# KiCad board 8851_HW-U1-VCU118_REV2-0_071417.kicad_pcb (continued)
## Routing (per net, layer and track width the routed paths; a pad name or vN(x,y) marks a point on that pad's centre or on a via; arc(x,y) is an arc through that point) (continued)
  03_SIG1 w0.107: v2(104.56,83.51) 104.56,83.7 arc(104.61,83.81) 104.72,83.86 104.74,83.86 arc(104.88,83.88) 105,83.97 105.03,84 arc(105.12,84.13) 105.16,84.29 105.16,87.74 arc(105.73,87.63) 105.24,87.95
  03_SIG1 w0.15: v3(61.5,157) 61.22,156.72 arc(61.1,156.55) 61.06,156.34 61.06,152.93 arc(61.08,152.85) 61.12,152.78 arc(61.28,152.55) 61.34,152.26 61.34,151.57 arc(61.43,151.13) 61.68,150.76 61.88,150.56 arc(62.01,150.47) 62.17,150.44 62.44,150.44 arc(62.75,150.38) 63.01,150.21 65.81,147.4 arc(66.45,146.45) 66.67,145.33 66.67,142.08 arc(70.37,142.81) 67.24,140.71 69.71,138.24 arc(70.2,137.91) 70.77,137.8 73.5,137.8 arc(73.87,137.65) 74.03,137.28 74.03,136.85 arc(73.86,136.44) 73.45,136.28 72.95,136.28 arc(72.81,136.22) 72.75,136.08 72.75,135.53 arc(73.73,135.93) 73.33,134.95 75.7,134.95 arc(76.17,134.75) 76.37,134.27 76.37,132 arc(76.67,132.3) 76.97,132 76.97,134.27 arc(77.65,134.95) 78.32,134.27 arc(78.62,134.57) 78.92,134.27 arc(79.17,134.86) 79.75,135.11 80.6,135.11 arc(81.13,134.89) 81.35,134.36 81.35,134.14 arc(81.72,134.29) 81.56,133.93 81.72,133.93 arc(81.99,134.03) 82.1,134.3 82.1,135.25 arc(82.85,136) 83.6,135.25 83.6,134.14 arc(83.97,134.29) 83.81,133.93 83.97,133.93 arc(84.24,134.03) 84.35,134.3 84.35,134.36 arc(84.57,134.89) 85.1,135.11 85.98,135.11 arc(86.74,134.95) 87.38,134.53 89.5,132.4 arc(89.93,132.12) 90.44,132.02 91.34,132.02 arc(91.68,131.87) 91.82,131.53 91.82,131.35 arc(92.12,131.65) 92.42,131.35 arc(92.61,131.82) 93.08,132.02 93.29,132.02 arc(93.63,131.87) 93.77,131.53 93.77,131.35 arc(94.07,131.65) 94.37,131.35 arc(94.56,131.82) 95.03,132.02 95.24,132.02 arc(95.58,131.87) 95.72,131.53 95.72,131.35 arc(96.02,131.65) 96.32,131.35 arc(96.51,131.82) 96.98,132.02 98.04,132.02 arc(98.43,131.94) 98.76,131.72 99.39,131.08 arc(99.43,131.07) 99.48,131.08 99.58,131.18 arc(100.53,131.18) 100.53,130.23 arc(100.81,130.11) 100.53,129.99 102.06,128.47 arc(102.22,128.4) 102.39,128.47 arc(103.39,128.47) 103.39,127.46 103.26,127.33 arc(103.4,127.27) 103.26,127.22 103.46,127.01 arc(103.63,126.95) 103.79,127.01 arc(104.75,127.01) 104.75,126.06 104.64,125.95 arc(104.77,125.89) 104.64,125.84 106.35,124.12 arc(106.69,123.61) 106.81,123.01 106.81,111.07 arc(106.76,110.82) 106.63,110.62 106.52,110.51 arc(107.16,110.08) 106.4,110.23 106.4,109.81 arc(106.36,109.59) 106.23,109.4 arc(106.15,109.27) 106.12,109.12 106.12,103.52 arc(106.97,103.69) 106.24,103.2 arc(106.37,103.01) 106.42,102.79 106.42,102.46 arc(106.35,102.12) 106.16,101.83 106.03,101.7 arc(105.62,101.42) 105.14,101.33 105.1,101.33 arc(104.86,101.38) 104.65,101.51 104.55,101.62 arc(104.28,101.79) 103.98,101.86 arc(103.53,101.67) 103.34,101.22 103.34,97.83 arc(103.21,97.13) 102.81,96.55 102.48,96.22 arc(103.76,95.36) 102.25,95.66 102.25,92.8 arc(102.38,92.18) 102.73,91.65 104.51,89.87 arc(105.05,89.06) 105.24,88.1 105.24,87.95
FMCP_HSPC_DP6_M2C_N: length 162.2
  TOP w0.102: J22.B17 v3(85.25,157)
  TOP w0.113: 108.01,86.95 v2(107.52,87.44)
  07_SIG3 w0.107: v3(85.25,157) 85.67,157 arc(85.74,156.97) 85.78,156.89 85.78,152.74 85.69,152.66 85.69,152.63 ; v2(107.52,87.44) 107.52,87.16 arc(107.7,87.24) 107.62,87.05 107.81,87.05 arc(107.89,87.08) 107.92,87.16 107.92,88.22 107.83,88.31 107.83,88.34
  07_SIG3 w0.15: 85.69,152.63 85.69,152.3 arc(85.76,151.92) 85.98,151.6 87.06,150.52 92.53,145.05 arc(92.82,144.86) 93.17,144.79 93.68,144.79 arc(93.92,144.69) 94.02,144.45 94.02,144.18 arc(94.1,143.89) 94.3,143.67 arc(94.46,143.6) 94.62,143.58 94.77,143.58 arc(95.3,143.8) 95.52,144.33 95.52,144.57 arc(95.86,144.91) 96.2,144.57 96.2,144.18 arc(96.37,143.76) 96.8,143.58 96.95,143.58 arc(97.51,143.47) 97.98,143.15 99.05,142.08 arc(99.31,141.91) 99.61,141.85 99.94,141.85 arc(100.47,142.07) 100.69,142.6 100.69,144.48 arc(101.03,144.81) 101.37,144.48 101.37,142.6 arc(102.12,143.35) 102.87,142.6 102.87,144.48 arc(103.21,144.81) 103.54,144.48 103.54,142.6 arc(104.82,143.13) 104.29,141.85 106.11,141.85 arc(106.41,141.79) 106.66,141.62 107.78,140.51 arc(108.01,140.36) 108.28,140.3 108.58,140.3 arc(109.11,140.52) 109.33,141.05 109.33,142.6 arc(109.66,142.94) 110,142.6 110,140.96 arc(111.12,141.42) 110.66,140.3 110.9,140.3 arc(111.12,140.26) 111.31,140.13 111.41,140.04 arc(111.49,139.91) 111.52,139.76 111.52,139.06 arc(111.49,138.89) 111.39,138.74 arc(114.02,136.99) 110.92,137.61 110.92,133.25 arc(112.73,133.61) 111.2,132.58 111.65,132.13 arc(111.98,131.62) 112.1,131.03 112.1,129.31 arc(115.35,129.96) 112.6,128.12 arc(113.21,127.2) 113.42,126.12 113.42,125.65 arc(113.21,125.12) 112.68,124.9 arc(112.37,124.84) 112.11,124.67 111.92,124.47 arc(114.51,122.74) 111.45,123.35 111.45,104.75 arc(111.1,102.99) 110.1,101.5 109.35,100.75 arc(109.18,100.49) 109.12,100.18 109.12,98.1 arc(109.1,97.8) 109.04,97.51 arc(108.83,97.03) 108.51,96.62 arc(110.3,95.42) 108.19,95.84 108.19,95.14 arc(108.03,94.75) 107.64,94.58 107.23,94.58 arc(106.83,94.42) 106.66,94.02 106.66,93.89 arc(107.85,94.38) 107.36,93.2 108.02,93.2 arc(108.31,92.92) 108.02,92.63 107.23,92.63 arc(106.83,92.47) 106.66,92.07 106.66,91.94 arc(108.04,92.05) 106.7,91.73 arc(106.95,91.38) 107.36,91.25 107.52,91.25 arc(107.8,90.97) 107.52,90.68 107.23,90.68 arc(106.83,90.52) 106.66,90.12 106.66,89.99 arc(107.85,90.48) 107.36,89.3 107.54,89.3 arc(107.75,89.21) 107.83,89.01 107.83,88.34
FMCP_HSPC_DP6_M2C_P: length 137.2
  TOP w0.102: J22.B16 v3(86.5,157)
  TOP w0.113: 108.01,85.97 v2(107.52,86.46)
  07_SIG3 w0.107: 86.06,152.63 86.06,152.66 85.97,152.74 85.97,156.22 arc(86.02,156.46) 86.16,156.66 v3(86.5,157) ; 108.21,88.34 108.21,88.31 108.12,88.22 108.12,87.16 arc(108.03,86.94) 107.81,86.85 107.62,86.85 arc(107.55,86.82) 107.52,86.74 v2(107.52,86.46)
  07_SIG3 w0.15: 108.21,88.34 108.21,89.01 arc(108.01,89.48) 107.54,89.67 107.36,89.67 arc(107.58,90.22) 107.04,89.99 107.04,90.12 arc(107.1,90.25) 107.23,90.31 107.52,90.31 arc(108.18,90.97) 107.52,91.62 107.36,91.62 arc(107.17,91.68) 107.05,91.84 arc(107.04,91.89) 107.04,91.94 107.04,92.07 arc(107.1,92.2) 107.23,92.26 108.02,92.26 arc(108.68,92.92) 108.02,93.57 107.36,93.57 arc(107.58,94.12) 107.04,93.89 107.04,94.02 arc(107.1,94.15) 107.23,94.21 107.64,94.21 arc(108.29,94.48) 108.56,95.14 108.56,95.84 108.56,95.84 arc(109.95,95.57) 108.77,96.36 arc(109.15,96.84) 109.4,97.41 arc(109.47,97.75) 109.49,98.1 109.49,100.18 arc(109.53,100.35) 109.62,100.48 110.37,101.23 arc(111.45,102.85) 111.83,104.75 111.83,123.35 arc(114.17,122.88) 112.18,124.21 112.38,124.4 arc(112.51,124.49) 112.68,124.52 arc(113.47,124.85) 113.8,125.65 113.8,126.12 arc(113.56,127.34) 112.86,128.38 arc(112.58,128.81) 112.48,129.31 112.48,131.03 arc(112.33,131.77) 111.91,132.39 111.46,132.84 arc(111.34,133.03) 111.29,133.25 111.29,137.61 arc(113.67,137.13) 111.66,138.48 arc(111.83,138.75) 111.9,139.06 111.9,139.76 arc(111.84,140.05) 111.67,140.3 111.58,140.4 arc(111.26,140.6) 110.9,140.68 110.66,140.68 arc(110.85,141.15) 110.38,140.96 110.38,142.6 arc(109.66,143.31) 108.95,142.6 108.95,141.05 arc(108.84,140.79) 108.58,140.68 108.28,140.68 arc(108.15,140.7) 108.04,140.77 106.93,141.89 arc(106.55,142.14) 106.11,142.23 104.29,142.23 arc(104.56,142.87) 103.92,142.6 103.92,144.48 arc(103.21,145.19) 102.49,144.48 102.49,142.6 arc(102.12,142.98) 101.74,142.6 101.74,144.48 arc(101.03,145.19) 100.32,144.48 100.32,142.6 arc(100.21,142.34) 99.94,142.23 99.61,142.23 arc(99.45,142.26) 99.32,142.34 98.65,143.01 98.25,143.42 arc(97.65,143.81) 96.95,143.95 96.8,143.95 arc(96.96,144.34) 96.57,144.18 96.57,144.57 arc(95.86,145.28) 95.15,144.57 95.15,144.33 arc(95.04,144.06) 94.77,143.95 94.62,143.95 arc(94.56,143.96) 94.5,143.99 arc(94.82,144.29) 94.4,144.18 94.4,144.45 arc(94.19,144.95) 93.68,145.16 93.17,145.16 arc(92.97,145.2) 92.79,145.32 87.33,150.78 86.24,151.87 arc(86.11,152.07) 86.06,152.3 86.06,152.63
FMCP_HSPC_DP7_C2M_N: length 164.8
  TOP w0.102: J22.B33 v3(65.25,157)
  TOP w0.113: 103.09,84 v2(102.6,84.49)
  03_SIG1 w0.107: v2(102.6,84.49) 102.6,84.12 arc(102.59,84.07) 102.56,84.04 102.55,84.02 arc(102.51,84) 102.47,83.99 102.44,83.99 arc(102.4,84) 102.37,84.02 102.28,84.1 arc(102.73,84.4) 102.2,84.3 102.2,87.55 arc(102.15,87.82) 102,88.05 101.81,88.23 arc(102.3,88.56) 101.72,88.45 101.7,88.46
  03_SIG1 w0.15: 101.7,88.46 99.56,90.61 arc(99.05,91.37) 98.87,92.27 98.87,97.67 arc(98.92,97.91) 99.06,98.11 99.69,98.74 arc(100.22,99.55) 100.41,100.49 100.41,100.95 arc(103.75,100.29) 100.92,102.18 103.36,104.62 arc(103.64,105.04) 103.74,105.53 103.74,110.3 arc(104.95,110.06) 103.92,110.75 arc(104.14,111.06) 104.21,111.44 104.21,121.63 arc(104.06,122.38) 103.64,123.01 103.61,123.04 102.37,124.28 arc(101.89,124.6) 101.31,124.71 100.51,124.71 arc(99.66,124.88) 98.94,125.37 98.14,126.17 arc(99.55,127.11) 97.89,126.78 97.89,128.04 arc(97.66,128.59) 97.1,128.83 87.08,128.83 arc(86.91,128.86) 86.78,128.95 arc(86.5,129.14) 86.17,129.2 80,129.2 arc(79.4,129.08) 78.89,128.74 78,127.85 arc(77.94,127.81) 77.88,127.8 75.53,127.8 arc(75.36,127.83) 75.23,127.92 71.97,131.18 arc(73.23,132.01) 71.75,131.72 71.75,133.43 arc(71.6,134.17) 71.18,134.8 70.78,135.2 arc(70.25,135.42) 69.72,135.2 69.24,134.72 arc(68.98,134.61) 68.71,134.72 arc(69.35,134.98) 68.71,135.25 69.19,135.73 arc(69.41,136.26) 69.19,136.79 arc(68.66,137.01) 68.13,136.79 67.65,136.31 arc(67.39,136.2) 67.12,136.31 arc(67.76,136.57) 67.12,136.84 67.6,137.32 arc(67.82,137.85) 67.6,138.38 66.2,139.79 arc(65.63,140.64) 65.42,141.64 65.42,144.91 arc(65.27,145.69) 64.83,146.35 62.75,148.43 arc(62.54,148.57) 62.3,148.62 arc(62.08,148.66) 61.9,148.78 60.33,150.35 arc(61.84,151.36) 60.06,151 60.06,152.29 arc(60.02,152.48) 59.92,152.63 arc(59.83,152.76) 59.8,152.92 59.8,154.65 arc(59.61,155.11) 59.14,155.3 57.5,155.3 arc(57.63,155.62) 57.31,155.49 57.31,158.34 arc(57.41,158.59) 57.66,158.69 65.37,158.69 arc(65.59,158.6) 65.69,158.37 65.69,157.63 arc(66.77,157.85) 65.85,157.24 arc(65.91,157.15) 65.93,157.06 65.93,156.86 arc(65.9,156.72) 65.82,156.6 arc(65.56,156.5) 65.31,156.6 65.29,156.62 arc(65.54,156.78) 65.25,156.72 v3(65.25,157)
FMCP_HSPC_DP7_C2M_P: length 177.9
  TOP w0.102: J22.B32 v3(66.5,157)
  TOP w0.113: v2(102.6,83.51) 103.09,83.01
  03_SIG1 w0.107: 101.44,88.2 101.46,88.18 101.49,88.18 arc(101.54,88.18) 101.59,88.16 arc(101.62,88.14) 101.64,88.12 101.86,87.9 arc(101.97,87.74) 102,87.55 102,84.3 arc(102.92,84.48) 102.14,83.96 v2(102.6,83.51)
  03_SIG1 w0.15: v3(66.5,157) 66.42,157.09 arc(68.39,158.4) 66.06,157.94 66.06,158.37 arc(65.86,158.86) 65.37,159.06 57.66,159.06 arc(57.15,158.85) 56.94,158.34 56.94,155.49 arc(57.89,155.88) 57.5,154.93 59.14,154.93 arc(59.34,154.84) 59.42,154.65 59.42,152.79 arc(59.46,152.61) 59.56,152.46 arc(59.65,152.32) 59.68,152.17 59.68,151 arc(62.18,151.5) 60.07,150.08 61.68,148.47 arc(61.94,148.3) 62.25,148.24 arc(62.42,148.18) 62.58,148.07 64.57,146.08 arc(64.92,145.55) 65.05,144.91 65.05,141.64 arc(65.28,140.49) 65.93,139.52 67.34,138.11 arc(67.45,137.85) 67.34,137.58 66.86,137.1 arc(68.14,136.57) 66.86,136.04 arc(67.39,135.82) 67.92,136.04 68.4,136.52 arc(68.66,136.63) 68.93,136.52 arc(69.04,136.26) 68.93,135.99 68.45,135.51 arc(69.73,134.98) 68.45,134.45 arc(68.98,134.23) 69.51,134.45 69.99,134.93 arc(70.25,135.04) 70.52,134.93 70.92,134.53 arc(71.26,134.03) 71.38,133.42 71.38,131.72 arc(73.57,132.16) 71.71,130.91 74.96,127.66 arc(75.22,127.49) 75.52,127.42 77.88,127.42 arc(78.09,127.47) 78.27,127.58 79.15,128.47 arc(79.54,128.73) 80,128.83 86.17,128.83 arc(86.35,128.79) 86.51,128.68 arc(86.77,128.51) 87.08,128.45 97.1,128.45 arc(97.39,128.33) 97.51,128.04 97.51,126.78 arc(97.61,126.3) 97.88,125.9 98.67,125.1 arc(99.52,124.54) 100.51,124.34 101.31,124.34 arc(101.74,124.25) 102.11,124.01 103.38,122.74 arc(103.72,122.23) 103.83,121.63 103.83,111.44 arc(103.79,111.21) 103.66,111.01 arc(105.29,109.92) 103.36,110.3 103.36,105.53 arc(103.29,105.18) 103.1,104.89 100.66,102.45 arc(104.1,100.15) 100.04,100.95 100.04,100.49 arc(99.88,99.69) 99.42,99.01 98.79,98.38 arc(100.43,97.28) 98.5,97.67 98.5,92.27 arc(98.7,91.23) 99.29,90.35 101.44,88.2
FMCP_HSPC_DP7_M2C_N: length 136.6
  TOP w0.102: J22.B13 v3(90.25,157)
  TOP w0.113: 106.04,86.95 v2(105.55,87.44)
  07_SIG3 w0.107: 82.3,152.75 82.3,152.77 82.21,152.86 82.21,158.42 arc(82.32,158.69) 82.59,158.79 90.31,158.79 arc(90.44,158.77) 90.55,158.69 90.58,158.66 arc(90.72,158.45) 90.78,158.2 90.78,157.11 arc(90.74,157.03) 90.67,157 v3(90.25,157) ; v2(105.55,87.44) 105.55,87.16 arc(105.52,87.08) 105.44,87.05 105.31,87.05 arc(105.41,87.31) 105.15,87.2 105.15,88.24 105.24,88.32 105.24,88.35
  07_SIG3 w0.15: 82.3,152.75 82.3,152.71 arc(82.59,152.77) 82.35,152.6 83.05,151.9 arc(83.26,151.81) 83.48,151.9 83.56,151.98 arc(83.98,151.98) 83.98,151.56 83.9,151.47 arc(84.41,151.26) 83.9,151.05 84.94,150.01 arc(85.12,149.93) 85.31,150.01 85.41,150.11 arc(85.88,150.31) 86.34,150.11 86.46,149.99 arc(86.6,149.65) 86.46,149.3 86.29,149.13 arc(86.81,148.8) 86.2,148.87 arc(86.41,148.61) 86.74,148.68 86.79,148.73 arc(87.25,148.93) 87.72,148.73 87.84,148.62 arc(87.98,148.27) 87.84,147.93 87.67,147.75 arc(88.12,147.75) 88.12,147.3 88.17,147.36 arc(88.63,147.55) 89.1,147.36 89.22,147.24 arc(89.36,146.89) 89.22,146.55 89.04,146.37 arc(89.5,146.37) 89.5,145.92 89.55,145.98 arc(90.01,146.17) 90.48,145.98 90.6,145.86 arc(90.74,145.51) 90.6,145.17 90.42,145 arc(90.97,144.77) 90.42,144.54 91.4,143.57 91.81,143.15 arc(92.21,142.89) 92.67,142.8 95.93,142.8 arc(96.62,142.66) 97.2,142.28 98.95,140.52 arc(99.11,140.41) 99.3,140.38 100.72,140.38 arc(101.03,140.44) 101.3,140.62 101.37,140.69 arc(101.72,140.93) 102.14,141.01 104.99,141.01 arc(105.52,140.9) 105.98,140.6 arc(106.42,139.94) 106.57,139.17 106.57,138.76 arc(107.21,139.03) 106.95,138.38 109.26,138.38 arc(109.97,137.67) 109.26,136.96 106.95,136.96 arc(106.81,136.93) 106.69,136.86 arc(106.6,136.74) 106.57,136.58 106.57,136.23 arc(107.15,136.35) 106.66,136.02 110.64,132.04 arc(111.1,131.35) 111.26,130.53 111.26,126.03 arc(111.17,125.55) 110.9,125.15 arc(110.46,124.49) 110.3,123.7 110.3,105.74 arc(110.23,105.38) 110.03,105.08 arc(112.95,103.12) 109.5,103.81 109.5,102.46 arc(109.43,102.1) 109.23,101.79 108.09,100.66 arc(107.96,100.47) 107.92,100.24 107.92,99.65 arc(107.86,99.37) 107.71,99.14 106.66,98.1 arc(106.57,97.98) 106.51,97.85 arc(106.49,97.75) 106.48,97.66 106.48,96.4 arc(106.39,95.88) 106.11,95.43 arc(106.08,95.39) 106.05,95.36 arc(106.96,94.75) 105.89,94.97 105.89,89.64 arc(105.81,89.25) 105.59,88.93 105.3,88.63 arc(105.6,88.43) 105.24,88.5 105.24,88.35
FMCP_HSPC_DP7_M2C_P: length 155.1
  TOP w0.102: J22.B12 v3(91.5,157)
  TOP w0.113: 106.04,85.97 v2(105.55,86.46)
  07_SIG3 w0.107: v3(91.5,157) 91.08,157 arc(91.16,157.19) 90.97,157.11 90.97,158.2 arc(90.91,158.53) 90.72,158.8 90.69,158.83 arc(90.52,158.95) 90.31,158.99 82.59,158.99 arc(82.18,158.83) 82.01,158.42 82.01,152.86 81.93,152.77 81.93,152.75 ; v2(105.55,86.46) 105.55,86.74 arc(105.52,86.82) 105.44,86.85 105.31,86.85 arc(105.55,87.45) 104.95,87.2 104.95,88.24 104.87,88.32 104.87,88.35
  07_SIG3 w0.15: 104.87,88.35 104.87,88.5 arc(105.95,88.29) 105.03,88.9 105.33,89.19 arc(105.46,89.4) 105.51,89.64 105.51,94.97 arc(107.3,94.61) 105.78,95.62 arc(105.81,95.65) 105.83,95.68 arc(106.04,96.01) 106.11,96.4 106.11,97.66 arc(108.09,97.5) 106.16,97.96 arc(106.25,98.18) 106.4,98.36 107.44,99.41 arc(107.52,99.52) 107.54,99.65 107.54,100.24 arc(107.62,100.61) 107.83,100.93 108.96,102.06 arc(109.08,102.24) 109.13,102.46 109.13,103.81 arc(113.29,102.98) 109.76,105.34 arc(109.88,105.52) 109.92,105.74 109.92,123.7 arc(110.11,124.63) 110.63,125.42 arc(110.82,125.7) 110.89,126.03 110.89,130.53 arc(110.75,131.2) 110.37,131.78 106.39,135.75 arc(107.49,136.49) 106.2,136.23 106.2,136.58 arc(106.26,136.89) 106.44,137.14 arc(106.67,137.28) 106.95,137.33 109.26,137.33 arc(109.6,137.67) 109.26,138.01 106.95,138.01 arc(107.48,139.29) 106.2,138.76 106.2,139.17 arc(106.07,139.8) 105.71,140.33 arc(105.38,140.56) 104.99,140.64 102.14,140.64 arc(101.87,140.58) 101.63,140.42 101.56,140.35 arc(101.17,140.09) 100.72,140 99.3,140 arc(98.97,140.07) 98.68,140.26 96.93,142.01 arc(96.47,142.32) 95.93,142.43 92.67,142.43 arc(92.06,142.55) 91.55,142.89 90.16,144.28 arc(91.34,144.77) 90.16,145.26 90.33,145.43 arc(90.36,145.51) 90.33,145.59 90.21,145.71 arc(90.01,145.79) 89.81,145.71 89.76,145.66 arc(89.76,146.64) 88.78,146.64 88.95,146.81 arc(88.98,146.89) 88.95,146.97 88.83,147.09 arc(88.63,147.17) 88.44,147.09 88.38,147.04 arc(88.38,148.02) 87.4,148.02 87.57,148.19 arc(87.61,148.27) 87.57,148.35 87.45,148.47 arc(87.25,148.55) 87.06,148.47 87,148.42 arc(86.28,148.25) 85.82,148.83 arc(87.17,148.68) 86.02,149.4 86.19,149.57 arc(86.23,149.65) 86.19,149.73 86.07,149.85 arc(85.88,149.93) 85.68,149.85 85.57,149.74 arc(85.12,149.56) 84.68,149.74 82.08,152.34 arc(82.94,152.91) 81.93,152.71 81.93,152.75
FMCP_HSPC_DP8_C2M_N: length 152
  TOP w0.102: J22.B29 v3(70.25,157)
  TOP w0.113: v2(123.26,84.49) 122.77,84
  03_SIG1 w0.107: v2(123.26,84.49) 122.8,84.02 arc(122.71,83.89) 122.67,83.72 122.67,81.52 arc(122.65,81.39) 122.57,81.28 122.54,81.24 arc(122.43,81.17) 122.3,81.15 117.28,81.15 arc(117.16,81.17) 117.07,81.23
  03_SIG1 w0.15: 117.07,81.23 116.93,81.23 arc(117.05,81.52) 116.76,81.4 116.76,87.17 arc(116.96,88.15) 117.51,88.97 119.32,90.78 arc(119.95,91.72) 120.17,92.82 120.17,97.68 arc(120.11,97.98) 119.94,98.23 118.74,99.43 arc(119.58,99.99) 118.59,99.79 118.59,100.47 arc(118.51,100.86) 118.29,101.19 117.76,101.72 arc(117.66,101.88) 117.62,102.07 117.62,106.78 arc(117.6,106.93) 117.54,107.06 arc(118.01,107.37) 117.46,107.26 117.46,124.2 arc(117.31,124.96) 116.87,125.61 115.98,126.51 arc(115.05,127.13) 113.95,127.35 113.28,127.35 arc(113.05,127.4) 112.86,127.53 112.86,127.53 111.53,128.86 arc(111.4,129.05) 111.36,129.27 111.36,138.84 arc(111.41,139.11) 111.56,139.33 arc(111.78,139.87) 111.56,140.42 110.84,141.13 arc(110.66,141.25) 110.44,141.3 110.25,141.3 arc(110.01,141.25) 109.81,141.11 108.6,139.91 arc(108.3,139.71) 107.94,139.64 94.36,139.64 arc(93.98,139.71) 93.66,139.92 92.95,140.63 arc(92.48,140.83) 92,140.63 91.83,140.46 arc(91.59,140.36) 91.35,140.46 arc(91.8,140.65) 91.35,140.83 91.58,141.06 arc(91.58,142.01) 90.62,142.01 90.07,141.46 arc(89.86,141.38) 89.65,141.46 arc(90.16,141.68) 89.65,141.89 90.2,142.44 arc(90.2,143.39) 89.24,143.39 88.69,142.84 arc(88.48,142.75) 88.27,142.84 arc(88.78,143.05) 88.27,143.27 88.82,143.82 arc(89.02,144.29) 88.82,144.77 88.61,144.97 arc(88.61,144.98) 88.61,144.98 arc(87.78,145.54) 86.8,145.73 86.4,145.73 arc(85.92,145.53) 85.73,145.06 85.73,144.03 arc(85.43,144.33) 85.13,144.03 85.13,145.06 arc(84.93,145.53) 84.45,145.73 79.81,145.73 arc(78.77,145.94) 77.89,146.52 72.69,151.73 arc(74.77,153.12) 72.31,152.63 72.31,157.11 arc(72.11,157.61) 71.61,157.81 71.14,157.81 arc(70.77,157.68) 70.58,157.33 70.58,157.33 arc(70.48,157.1) v3(70.25,157)
FMCP_HSPC_DP8_C2M_P: length 169.6
  TOP w0.102: J22.B28 v3(71.5,157)
  TOP w0.113: v2(123.26,83.51) 122.77,83.01
  03_SIG1 w0.107: v2(123.26,83.51) 123.26,83.82 arc(123.25,83.87) 123.22,83.91 123.21,83.93 arc(123.16,83.96) 123.11,83.97 123.09,83.97 arc(123.03,83.96) 122.98,83.93 122.94,83.88 arc(122.89,83.81) 122.87,83.72 122.87,81.52 arc(122.83,81.31) 122.72,81.14 122.68,81.1 arc(122.51,80.99) 122.3,80.95 117.28,80.95 arc(117.16,80.92) 117.07,80.86
  03_SIG1 w0.15: v3(71.5,157) 71.05,157 arc(71.12,157.18) 70.94,157.11 70.94,157.25 arc(70.95,157.26) 70.95,157.27 arc(71.01,157.39) 71.14,157.44 71.61,157.44 arc(71.84,157.34) 71.94,157.11 71.94,152.63 arc(75.12,153.27) 72.42,151.46 77.63,146.26 arc(78.63,145.59) 79.81,145.36 84.45,145.36 arc(84.66,145.27) 84.75,145.06 84.75,144.03 arc(85.43,144.7) 86.1,144.03 86.1,145.06 arc(86.19,145.27) 86.4,145.36 86.8,145.36 arc(87.63,145.19) 88.34,144.72 88.35,144.71 88.55,144.5 arc(88.64,144.29) 88.55,144.08 88,143.53 arc(89.16,143.05) 88,142.58 arc(88.48,142.38) 88.96,142.58 89.51,143.13 arc(89.93,143.13) 89.93,142.7 89.38,142.15 arc(90.54,141.68) 89.38,141.2 arc(89.86,141) 90.34,141.2 90.89,141.75 arc(91.31,141.75) 91.31,141.32 91.09,141.1 arc(92.18,140.65) 91.09,140.19 arc(91.59,139.99) 92.09,140.19 92.27,140.37 arc(92.48,140.46) 92.69,140.37 93.26,139.8 93.4,139.66 arc(93.84,139.36) 94.36,139.26 107.94,139.26 arc(108.44,139.36) 108.87,139.65 109.01,139.79 110.07,140.85 arc(110.15,140.9) 110.25,140.92 110.44,140.92 arc(110.52,140.91) 110.58,140.87 111.29,140.15 arc(111.41,139.87) 111.29,139.59 arc(111.06,139.25) 110.98,138.84 110.98,129.27 arc(112.84,129.64) 111.26,128.59 111.78,128.08 112.59,127.26 arc(112.91,127.05) 113.28,126.97 113.95,126.97 arc(114.9,126.78) 115.71,126.24 116.61,125.35 arc(116.96,124.82) 117.08,124.2 117.08,107.17 arc(117.81,107.31) 117.19,106.9 arc(117.21,106.88) 117.22,106.87 arc(117.24,106.83) 117.24,106.78 117.24,102.07 arc(118.92,102.4) 117.5,101.45 118.02,100.93 arc(118.16,100.72) 118.21,100.47 118.21,99.79 arc(119.92,100.13) 118.47,99.16 119.67,97.97 arc(119.76,97.84) 119.79,97.68 119.79,92.82 arc(119.6,91.86) 119.06,91.05 117.24,89.23 arc(116.61,88.29) 116.39,87.17 116.39,81.4 arc(117.32,81.79) 116.93,80.86 117.07,80.86
FMCP_HSPC_DP8_M2C_N: length 148.4
  TOP w0.102: J22.B9 v3(95.25,157)
  TOP w0.113: 119.82,86.95 v2(120.31,87.44)
  05_SIG2 w0.107: v2(120.31,87.44) 120.31,87.16 arc(120.28,87.08) 120.2,87.05 120.05,87.05 arc(120.14,87.26) 119.92,87.18 119.92,88.15 arc(120.47,88.04) 120.01,88.35
  05_SIG2 w0.15: 120.01,88.35 120.01,95.19 arc(122.5,95.06) 120.04,95.45 120.11,95.79 arc(120.14,95.96) 120.15,96.14 120.15,100.72 arc(119.95,101.73) 119.38,102.58 118.33,103.62 arc(117.68,104.59) 117.46,105.74 117.46,122.79 arc(117.5,123.01) 117.63,123.2 117.67,123.25 arc(117.81,123.45) 117.86,123.69 117.86,123.97 arc(117.67,124.43) 117.2,124.62 116.88,124.62 arc(117.06,125.05) 116.63,124.87 116.63,124.94 arc(116.73,125.17) 116.95,125.26 117.2,125.26 arc(117.67,125.45) 117.86,125.92 117.86,126.26 arc(117.67,126.72) 117.2,126.91 114.89,126.91 arc(115.21,127.23) 114.89,127.55 117.2,127.55 arc(117.67,127.74) 117.86,128.21 117.86,128.48 arc(117.76,128.98) 117.47,129.41 117.4,129.49 arc(117.1,129.68) 116.75,129.75 115.99,129.75 arc(115.93,129.76) 115.89,129.8 111.2,134.48 arc(111.45,134.64) 111.16,134.58 111.16,134.71 arc(111.08,135.11) 110.86,135.45 110.76,135.55 arc(110.49,135.73) 110.18,135.79 110.13,135.79 arc(110.03,135.81) 109.95,135.86 109.8,136.02 arc(110.15,136.16) 109.8,136.31 111.49,138 arc(111.69,138.5) 111.49,139 arc(111.06,139.18) 110.63,139 108.95,137.32 arc(108.72,137.22) 108.5,137.32 108.26,137.55 arc(109.39,138.02) 108.26,138.49 108.54,138.76 108.65,138.87 arc(108.68,138.9) 108.7,138.94 arc(108.62,139.83) 107.72,139.8 107.03,139.11 arc(106.81,139.02) 106.58,139.11 arc(107.13,139.34) 106.58,139.56 107.38,140.36 arc(107.38,141.29) 106.45,141.29 105.65,140.49 arc(105.43,140.4) 105.2,140.49 arc(105.75,140.72) 105.2,140.94 105.97,141.71 arc(105.97,142.64) 105.04,142.64 104.27,141.87 arc(104.05,141.78) 103.82,141.87 arc(104.37,142.1) 103.82,142.32 104.46,142.96 arc(104.71,143.55) 104.46,144.13 103.37,145.23 arc(102.88,145.43) 102.39,145.23 arc(104.33,143.94) 102.04,144.39 102.04,144.38 arc(101.73,144.7) 101.41,144.38 101.41,144.74 arc(101.22,145.19) 100.77,145.38 99.83,145.38 arc(99.35,145.48) 98.95,145.75 98.08,146.62 arc(98.72,146.88) 98.08,147.15 98.42,147.49 arc(98.62,147.97) 98.42,148.46 98.4,148.48 arc(97.9,148.69) 97.4,148.48 97.07,148.15 arc(96.8,148.04) 96.54,148.15 92.57,152.12 arc(94.09,153.13) 92.3,152.78 92.3,154 92.33,154.03 92.33,154.98 92.3,155 92.3,156.5 92.33,156.53 92.33,157.14 arc(92.41,157.35) 92.63,157.44 95.67,157.44 arc(95.82,157.38) 95.88,157.23 95.88,156.67 arc(95.79,156.44) 95.56,156.35 arc(95.79,156.89) 95.25,156.67 v3(95.25,157)
FMCP_HSPC_DP8_M2C_P: length 159.4
  TOP w0.102: J22.B8 v3(96.5,157)
  TOP w0.113: 119.82,85.97 v2(120.31,86.46)
  05_SIG2 w0.107: v2(120.31,86.46) 120.31,86.74 arc(120.28,86.82) 120.2,86.85 120.05,86.85 arc(120.28,87.4) 119.72,87.18 119.72,88.13 arc(119.7,88.25) 119.63,88.35
  05_SIG2 w0.15: 119.63,88.35 119.63,95.19 arc(122.87,95.02) 119.67,95.53 119.74,95.87 arc(119.76,96) 119.77,96.14 119.77,100.72 arc(119.6,101.58) 119.11,102.31 118.07,103.36 arc(117.34,104.45) 117.08,105.74 117.08,122.79 arc(117.15,123.16) 117.36,123.47 117.41,123.51 arc(117.46,123.6) 117.48,123.69 117.48,123.97 arc(117.4,124.17) 117.2,124.25 116.88,124.25 arc(117.32,125.32) 116.26,124.87 116.26,124.94 arc(116.46,125.43) 116.95,125.64 117.2,125.64 arc(117.4,125.72) 117.48,125.92 117.48,126.26 arc(117.4,126.46) 117.2,126.54 114.89,126.54 arc(115.58,127.23) 114.89,127.93 117.2,127.93 arc(117.4,128.01) 117.48,128.21 117.48,128.48 arc(117.41,128.84) 117.21,129.15 117.13,129.22 arc(116.96,129.34) 116.75,129.38 115.99,129.38 arc(115.79,129.42) 115.62,129.53 110.94,134.21 arc(111.8,134.78) 110.79,134.58 110.79,134.71 arc(110.74,134.97) 110.59,135.19 110.49,135.28 arc(110.35,135.38) 110.18,135.41 110.13,135.41 arc(109.89,135.46) 109.69,135.6 109.53,135.75 arc(110.53,136.16) 109.53,136.57 111.22,138.26 arc(111.32,138.5) 111.22,138.74 111.22,138.74 arc(111.06,138.8) 110.9,138.74 109.21,137.05 arc(108.72,136.85) 108.23,137.05 108,137.29 arc(109.76,138.02) 108,138.75 108.38,139.14 arc(108.39,139.15) 108.41,139.16 arc(108.37,139.55) 107.98,139.53 107.3,138.85 arc(106.81,138.64) 106.32,138.85 106.32,138.85 arc(107.5,139.34) 106.32,139.83 107.11,140.62 arc(107.11,141.02) 106.71,141.02 105.92,140.23 arc(105.43,140.02) 104.94,140.23 arc(106.12,140.72) 104.94,141.21 105.71,141.98 arc(105.71,142.38) 105.31,142.38 104.54,141.61 arc(104.05,141.4) 103.56,141.61 arc(104.74,142.1) 103.56,142.59 104.2,143.23 arc(104.33,143.55) 104.2,143.87 103.1,144.96 arc(102.88,145.05) 102.66,144.96 arc(103.98,144.08) 102.42,144.39 102.42,144.38 arc(101.73,145.07) 101.03,144.38 101.03,144.74 arc(100.96,144.93) 100.77,145.01 99.83,145.01 arc(99.21,145.13) 98.68,145.48 97.81,146.35 arc(99.09,146.88) 97.81,147.41 98.15,147.75 arc(98.24,147.97) 98.15,148.19 98.13,148.22 arc(97.9,148.31) 97.66,148.22 97.33,147.89 arc(96.8,147.67) 96.27,147.89 92.31,151.86 arc(94.43,153.28) 91.92,152.78 91.92,154.16 91.95,154.18 91.95,154.82 91.92,154.85 91.92,156.66 91.95,156.68 91.95,157.14 arc(92.15,157.62) 92.63,157.82 95.67,157.82 arc(96.08,157.64) 96.26,157.23 96.26,157.12 arc(96.47,157.21) 96.38,157 v3(96.5,157)
